# Altium PCB PCB.PcbDoc (continued)
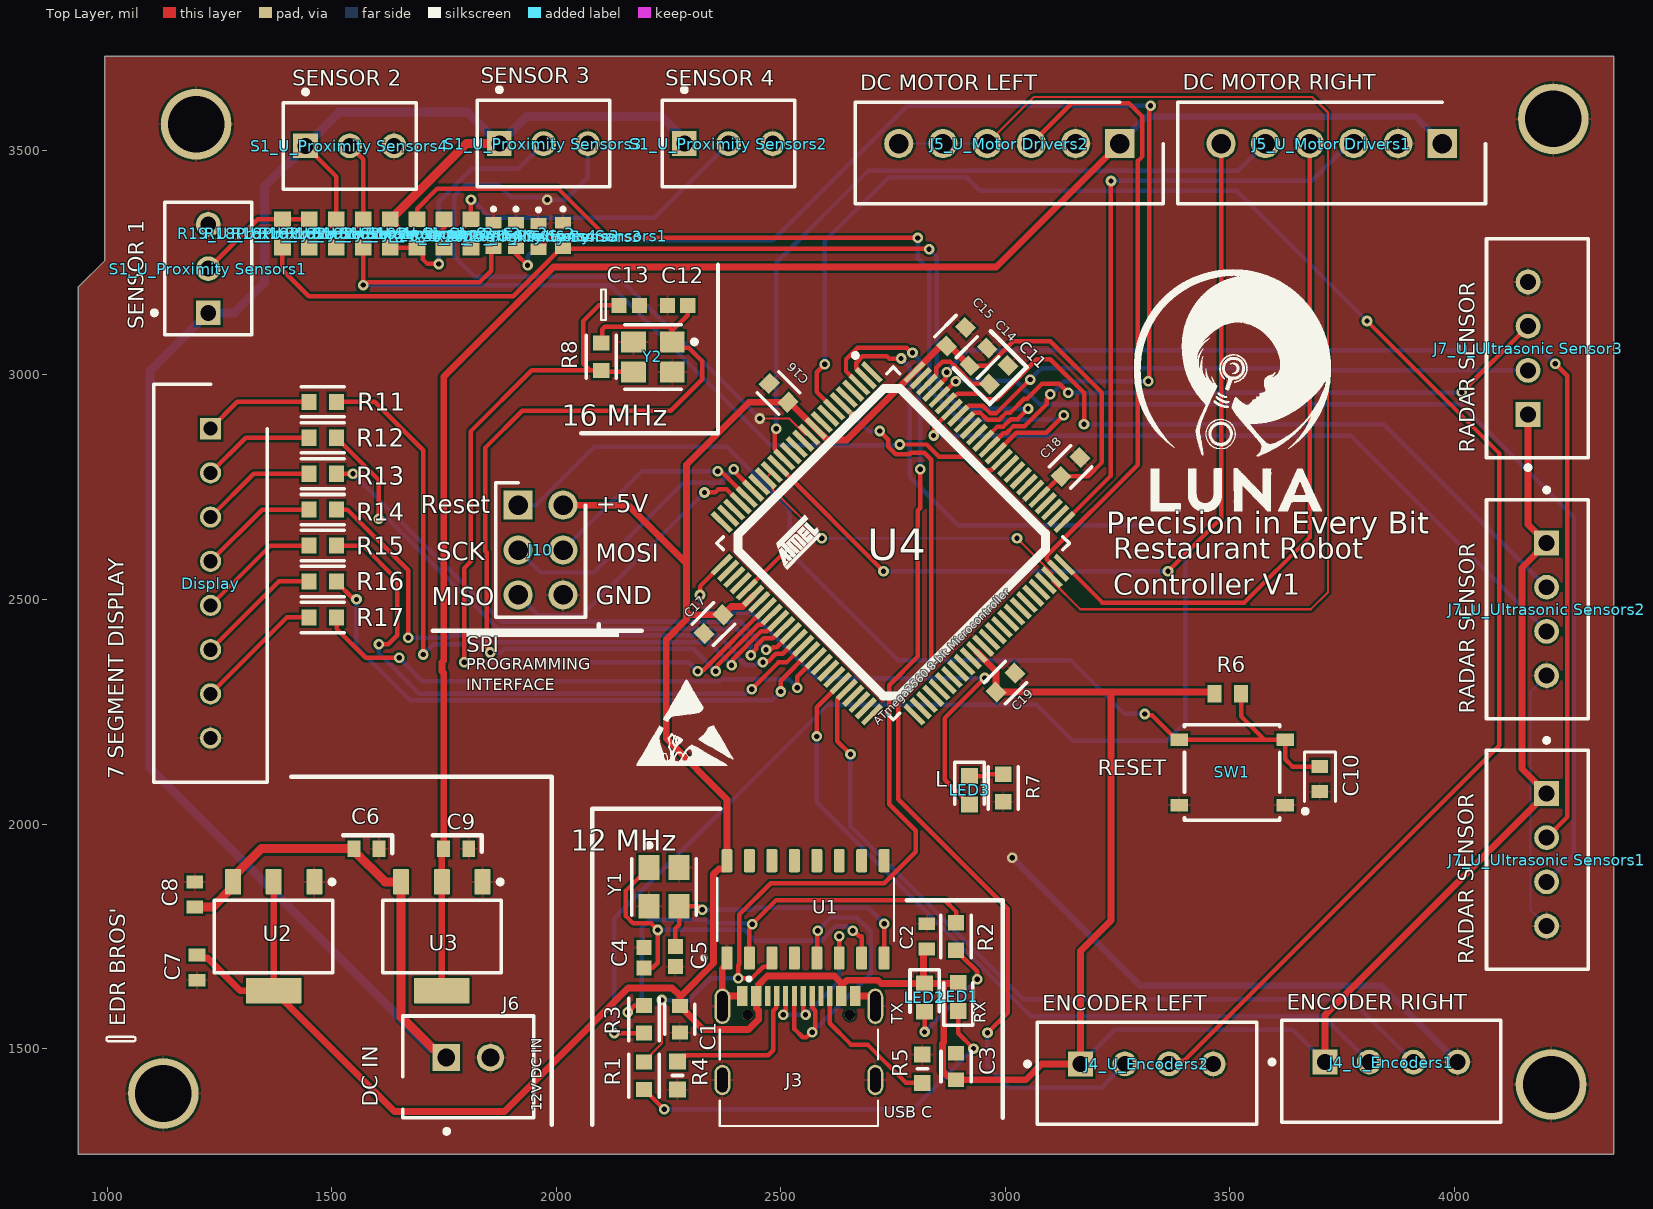
[diagram p0: Top Layer view]
## Part data
C1 C3 C11 C15 C16 C17 C18 C19: library part CMP-2100-03601-2, "CAP CER 0.1UF 50V X7R 0603", Capacitance="100 nF", Manufacturer=YAGEO, Package=CC0603-DA, Temperature="-55°C to +125°C", Temperature Characteristic=X7R, Temperature Coefficient=15%, Temperature Range High=+125°C, Temperature Range Low=-55°C, Tolerance=0.1, Voltage="50 V", Automotive=No, Category=Cap, ComponentLink2Description=Datasheet, ComponentLink2URL=http://www.yageo.com/documents/recent/UPY-GPHC_X7R_6.3V-to-50V_18.pdf, Device Class L1="Passive Components", Device Class L2=Capacitors, Device Class L3="Ceramic Capacitors", Digikey Description="CAP CER 0.1UF 50V X7R 0603", Footprint Url=http://www.yageo.com/exep/pages/download/literatures/UPY-C_GEN_24.pdf, Height=0.9mm, Lead Free=Yes, Manufacturer Part Number=CC0603KRX7R9BB104, Material=Ceramic, Mouser Description="Multilayer Ceramic Capacitor, CC Series, 0.1 - F, - 10%, X7R, 50 V, 0603 [1608 Metric]", Octopart=https://octopart.com/cc0603krx7r9bb104-yageo-42244635, RoHS=TRUE, Voltage Rating="50 V"
C2 C6 C7 C8 C9 C10 C14: "Capacitor", Manufacturer_Name=SAMSUNG, Mouser Part Number=187-CL10A106KP8NNNC, Arrow Part Number=CL10A106KP8NNNC, Arrow Price/Stock=https://www.arrow.com/en/products/cl10a106kp8nnnc/samsung-electro-mechanics?region=europe, Datasheet Link=https://datasheet.datasheetarchive.com/originals/distributors/Datasheets-DGA10/2415998.pdf, Height=0.9mm, Manufacturer_Part_Number=CL10A106KP8NNNC, Mouser Price/Stock=https://www.mouser.co.uk/ProductDetail/Samsung-Electro-Mechanics/CL10A106KP8NNNC?qs=X6jEic%2FHinAlyfRHj7fKwg%3D%3D
C4 C5 C12 C13: library part CMP-1659-00026-1, "Chip Capacitor, 22 pF, +/- 5%, 50 V, -55 to 125 degC, 0603 (1608 Metric), RoHS, Tape and Reel", ComponentLink1Description="Manufacturer URL", ComponentLink1URL=http://www.yageo.com/, ComponentLink2Description=Datasheet, ComponentLink2URL=http://www.yageo.com/documents/recent/UPY-GP_NP0_16V-to-50V_8.pdf, DatasheetVersion="Rev. 8, 08/2011", PackageDescription="2-Pin Surface Mount Device, Body 1.6 x 0.8 mm", PackageReference=0603
Display: library part B08B-XASK-1__LF__SN_, "Connector", Manufacturer_Name="JST (JAPAN SOLDERLESS TERMINALS)", Manufacturer_Part_Number="B08B-XASK-1 (LF)(SN)", Datasheet Link=http://uk.rs-online.com/web/p/products/1667521, Height=8.8mm
J3: "USB Connectors 24 Receptacle 1 8.94*7.3mm RoHS", Package=Package, Availability="Not in stock", Check_prices=https://www.snapeda.com/parts/TYPE-C-31-M-12/HRO+Electronics+Co.%252C+Ltd./view-part/?ref=eda, MF="HRO Electronics Co., Ltd.", MP=TYPE-C-31-M-12, Price=None, SnapEDA_Link=https://www.snapeda.com/parts/TYPE-C-31-M-12/HRO+Electronics+Co.%252C+Ltd./view-part/?ref=snap
J4_U_Encoders1 J4_U_Encoders2 "J7_U_Ultrasonic Sensor3" "J7_U_Ultrasonic Sensors1" "J7_U_Ultrasonic Sensors2": library part CMP-17439-000250-1, "CONN HEADER VERT 4POS 2.5MM", Color=Natural, Contact Resistance=20mR, Current Rating=3A, Flammability Rating="UL94 V-0", Housing Color=White, Insulation Resistance=1GR, Max Operating Temperature=85°C, Max Voltage Rating (AC)=250V, Min Operating Temperature=-25°C, Package Quantity=500, Connector Type=Header, Contact Finish - Mating=TIN, Contact Material=Brass, Contact Plating=Tin, Contact Shape=Square, Contact Type="Male Pin", Depth=5.75mm, Fastening Type=Detent, Gender=Male, Housing Material=Polyamide, Insulation Color=Natural, Insulation Material=Nylon, Lead Free="Lead Free", Lead Pitch=2.5mm, Length=12.4mm, Mated Stacking Heights=9.8mm, Material=Polyamide, Max Current Rating=3A, Max Voltage Rating (DC)=250V, Mount="Through Hole", Number of Contacts=4, Number of Positions=4, Number of Rows=1, Orientation=Straight, Packaging=Bulk, Pitch=2.5mm, REACH SVHC="No SVHC", Series=XH, Termination=Solder, Voltage Rating=250V, Voltage Rating (AC)=250V, Wire/Cable Gauge=22AWG
"J5_U_Motor Drivers1" "J5_U_Motor Drivers2": "Connector", Arrow Part Number=B6B-XH-A(LF)(SN), Manufacturer_Name="JST (JAPAN SOLDERLESS TERMINALS)", Arrow Price/Stock=https://www.arrow.com/en/products/b6b-xh-a-lf-sn/jst-manufacturing?region=europe, Datasheet Link=https://datasheet.lcsc.com/szlcsc/JST-Sales-America-B6B-XH-A-LF-SN_C144397.pdf, Height=7mm, Manufacturer_Part_Number=B6B-XH-A(LF)(SN)
J6: library part CMP-17439-000037-1, "CONN HEADER VERT 2POS 2.5MM", Color=Green, Contact Resistance=20mR, Housing Color=White, Max Current Rating=3A, Max Operating Temperature=85°C, Max Voltage Rating (AC)=250V, Min Operating Temperature=-25°C, Connector Type="Male Pin", Contact Material=Brass, Contact Plating=Tin, Contact Type="Male Pin", Depth=5.75mm, Fastening Type=Detent, Housing Material=Polyamide, Lead Free="Lead Free", Length=7.4mm, Mount="Through Hole", Number of Positions=2, Number of Rows=1, Orientation=Straight, Packaging=Bulk, Pitch=2.5mm, Series=XH, Termination=Solder
J10: library part M20-9980346, "Connector", Manufacturer_Name=Harwin, Mouser Part Number=855-M20-9980346, Datasheet Link=https://cdn.harwin.com/pdfs/M20-998.pdf, Height=8.68mm, Manufacturer_Part_Number=M20-9980346, Mouser Price/Stock=https://www.mouser.co.uk/ProductDetail/Harwin/M20-9980346?qs=%252Bk6%2F5FB6qrmHk2P20oz3FA%3D%3D
LED1 LED2 LED3: library part LTST-C191KRKT, "LED", Manufacturer_Name=Lite-On, Mouser Part Number=859-LTST-C191KRKT, Arrow Part Number=LTST-C191KRKT, Arrow Price/Stock=https://www.arrow.com/en/products/ltst-c191krkt/lite-on-technology?region=nac, Datasheet Link=http://www.mouser.com/ds/2/239/S_110_LTST-C191KRKT-539838.pdf, Height=0.55mm, Manufacturer_Part_Number=LTST-C191KRKT, Mouser Price/Stock=https://www.mouser.co.uk/ProductDetail/Lite-On/LTST-C191KRKT?qs=BAIUz4Y8PJBLfOhzue0q%252BA%3D%3D
R1 R2 R3 R7 R8 R11 R12 R13 R14 R15 R16 R17: library part CMP-03412-043191-1, "Anti-Sulfurated Chip Resistors Automotive Grade 1.5kΩ 1% 100ppm/°C 0603", Case/Package=0603, Max Operating Temperature=155°C, Max Power Dissipation=100mW, Min Operating Temperature=-55°C, Resistance=1.5kR, Resistor Type="Thick Film", Temperature Coefficient=100ppm/°C, Tolerance=1%, Features="Moisture Resistant", Height=0.022inch, Length=0.063inch, Number of Terminations=2, Packaging="Tape and Reel", RoHS Compliant=Yes, Series=AF, Width=0.031inch
R4 R5: "Resistor", Manufacturer_Name="UNI-ROYAL(Uniroyal Elec)", Datasheet Link=https://datasheet.lcsc.com/szlcsc/Uniroyal-Elec-0603WAF5101T5E_C23186.pdf, Height=0.55mm, Manufacturer_Part_Number=0603WAF5101T5E
R6: library part CMP-2000-05022-1, "Resistor, 10 KOhm, +/- 5%, 100 mW, -55 to 155 degC, 0603 (1608 Metric), RoHS, Tape and Reel", Case Code - in=0603, Case Code - mm=1608, Manufacturer=Yageo, Operating Temperature Range=-55Cto+155C, Package Description="2-Pin Surface Mount Device, Body 1.6 x 0.8 mm", Package Reference=603, Power Rating=100mW, Resistance=10kOhms, Temperature Coefficient=100PPM/C, Tolerance=5%, Voltage Rating=50V, Datasheet URL=http://www.farnell.com/datasheets/443971.pdf, Datasheet Version="Rev. 4, 04/2009", Manufacturer URL=http://www.yageo.com/, Packaging=Reel, Product=ThickFilmResistorsGeneralPurpose, Series=RC, Termination Style=SMD/SMT
"R18_U_Proximity Sensors1" "R18_U_Proximity Sensors2" "R18_U_Proximity Sensors3" "R18_U_Proximity Sensors4": library part RC0603FR-071KL, "Resistor", Manufacturer_Name=YAGEO, Mouser Part Number=603-RC0603FR-071KL, Arrow Part Number=RC0603FR-071KL, Arrow Price/Stock=https://www.arrow.com/en/products/rc0603fr-071kl/yageo?region=nac, Datasheet Link=https://www.yageo.com/upload/media/product/productsearch/datasheet/rchip/PYu-RC_Group_51_RoHS_L_12.pdf, Height=0.55mm, Manufacturer_Part_Number=RC0603FR-071KL, Mouser Price/Stock=https://www.mouser.co.uk/ProductDetail/YAGEO/RC0603FR-071KL?qs=VU8sRB4EgwApHsk4rF%2F3zg%3D%3D
"R19_U_Proximity Sensors1" "R19_U_Proximity Sensors2" "R19_U_Proximity Sensors3" "R19_U_Proximity Sensors4": library part RMCF0603JT3K30, "Resistor RMCF0603JT3K30", Manufacturer_Name="Stackpole Electronics", Datasheet Link=https://www.seielect.com/Catalog/SEI-RMCF_RMCP.pdf, Height=0.55mm, Manufacturer_Part_Number=RMCF0603JT3K30
"R20_U_Proximity Sensors1" "R20_U_Proximity Sensors2" "R20_U_Proximity Sensors3" "R20_U_Proximity Sensors4": library part ERJ3GEYJ222V, "Resistor", Manufacturer_Name=Panasonic, Arrow Part Number=ERJ3GEYJ222V, Arrow Price/Stock=https://www.arrow.com/en/products/erj-3geyj222v/panasonic?region=nac, Datasheet Link=http://docs-europe.electrocomponents.com/webdocs/13ba/0900766b813ba21b.pdf, Height=0.55mm, Manufacturer_Part_Number=ERJ3GEYJ222V
"S1_U_Proximity Sensors1" "S1_U_Proximity Sensors2" "S1_U_Proximity Sensors3" "S1_U_Proximity Sensors4": library part CMP-2000-07494-1, "Male Header, Pitch 2.5 mm, 1 x 3 Position, Height 10.4 mm, Tail Length 3.6 mm,  / -20 to 95 degC / , RoHS, Bulk", Colour=Natural, Contact Resistance=20mOhm, Flammability Rating=UL94V-0, Manufacturer="TE Connectivity", Max Current Rating=3.5A, Max Operating Temperature=95degC, Max Voltage Rating (AC)=250V, Max Voltage Rating (DC)=350.25kV, Min Operating Temperature=-20degC, Package Description="Male Header, Pitch 2.5 mm, 1 x 3 Position, Height 10.4 mm, Tail Length 3.6 mm", Package Quantity=1000, Package Reference=171825-3, Voltage Rating=350V, Approvals=UL, Backwall/Post Interruptions=No(Without), Connector Type=Header, Contact Gender=Male, Contact Material=Brass, Contact Mating Length=0.295inch, Contact Plating=Tin, Contact Retention=No(Without), Contact Shape=Square, Datasheet URL=http://www.te.com/commerce/DocumentDelivery/DDEController?Action=showdoc&DocId=Customer+Drawing%7F171825%7FY3%7Fpdf%7FEnglish%7FENG_CD_171825_Y3.pdf%7F171825-3, Datasheet Version="Rev. Y3, 12/2016", Depth=4.9mm, Height=0.409inch, Housing Colour=Natural, Housing Material=Nylon, Length=7.5mm, Manufacturer URL=http://www.te.com/, Mating Alignment=Yes(With), Mating Post Length=7.5mm, Mating Retention=Yes(With), Mount=ThroughHole, Mounting Technology=ThroughHole, Number of Contacts=3, Number of Positions=3, Number of Rows=1, Orientation=Straight, Packaging=Bag, Panel Mount Retention=No(Without), PCB Mount Alignment=No(Without), PCB Mount Retention=Without, PCB Mounting Orientation=Vertical, PCB Thickness=0.063inch, Pitch=2.5mm, Plating Thickness=0.8um, REACH SVHC=NoSVHC, RoHSCompliant=True, Strain Relief=No(Without), Tail Length=0.142inch, Termination=Solder
SW1: library part CMP-10040-000013-1, "TACT 5.2 X 5.2, 1.5 MM H, 260GF,", Contact Current Rating=50mA, Contact Resistance=100mΩ, Manufacturer=C&K, Operating Force=250gf, Temperature="-20°C to +70°C", Temperature Range High=+70°C, Temperature Range Low=-20°C, Voltage Rating Dc=12V, Automotive=No, Category=Switch, ComponentLink2Description=Datasheet, ComponentLink2URL=https://www.ckswitches.com/media/2780/pts526.pdf, Device Class L1=Electromechanical, Device Class L2=Switches, Device Class L3="Tactile Switches", Digikey Description="TACT 5.2 X 5.2, 1.5 MM H, 260GF,", Electromechanical Life=200000Cycles, Height=1.65mm, Lead Free=Yes, Manufacturer Part Number=PTS526SK15SMTR2LFS, Octopart=https://octopart.com/pts526+sk15+smtr2+lfs-c%26k+components-100617999, Package=PTS526SK15SMTR2LFS, RoHS=TRUE, Standoff Height=0mm, Throw Configuration=SPST-NO
U1: "USB Interface Integrated Circuit", Package=None, Availability="Not in stock", Check_prices=https://www.snapeda.com/parts/Ch340G/WCH/view-part/?ref=eda, MF=WCH, MP=Ch340G, Price=None, SnapEDA_Link=https://www.snapeda.com/parts/Ch340G/WCH/view-part/?ref=snap
U2 U3: library part CMP-0062-01637-4, "800mA Low-Dropout Linear Regulator, 4-pin SOT-223", Manufacturer="Texas Instruments", PackageTopMarking=XYTT*N06A, PowerWise=N, Code_IPC=SOT223-4, Code_JEDEC=TO-261-AA, ComponentLink1Description="Datasheet URL", ComponentLink1URL=http://www.ti.com/general/docs/lit/getliterature.tsp?genericPartNumber=LM1117-N&fileType=pdf, CompType="LDO IC", High-Reliability=Y, PackageDescription="Molded SOT-223, 6.50 x 3.56 x 1.6mm Body, 4 Lead, 2.3mm Pitch", PackageReference=DCY0004A, PartNumber=LM1117MPX-5.0, PinCount=4, RoHS=N
U4: library part CMP-06276-000073-1, "IC MCU 8BIT 256KB FLASH 100TQFP", Case/Package=DIP, Frequency=16MHz, Max Operating Temperature=70°C, Min Operating Temperature=0°C, Core Architecture=PIC, Interface=UART, Memory Size=8KB, Memory Type=OTP, Number of I/Os=33, Oscillator Type=External, Packaging=Rail/Tube, Peripherals=POR
Y1 Y2: library part CMP-2000-05039-3, "Crystal 12MHz ±20ppm (Tol) ±30ppm (Stability) 18pF FUND 120Ω 4-Pin SMD T/R", Case/Package=CSMD, ESR (Equivalent Series Resistance)=120R, Frequency=12MHz, Frequency Stability=30ppm, Frequency Tolerance=20ppm, Load Capacitance=18pF, Max Operating Temperature=85°C, Min Operating Temperature=-40°C, Operating Frequency="12 MHz", Package Quantity=1000, Depth=2.5mm, Height=1mm, Lead Free="Lead Free", Length=3.2mm, Mount="Surface Mount", Number of Pins=4, Packaging="Tape and Reel", Radiation Hardening=No, Series=ABM8G, Series Resistance=120R, Termination=SMD/SMT, Tolerance=20ppm, Width=2.5mm

## Free pads (board coordinates)
  round 157.48 hole 125.98: 2(1197.95,3558.08) 3(1125,1400) 4(4215,1420) 5(4220,3570)

## Via types
v1: diameter 23.62, hole 11.81, Top Layer to Bottom Layer, tented both sides, 82 vias

## Nets (pads, with @x,y where several pads share a name; then routed paths per layer and width w, separated by ;. In a path a pad name is that pad's centre, name@x,y a point inside that pad or via, vN(x,y) a via of type N, cw(c..) or ccw(c..) an arc to the next point about the centre after c; other vN are vias at no path point)
+5V: "J7_U_Ultrasonic Sensor3.1" "J7_U_Ultrasonic Sensors1.1" "J7_U_Ultrasonic Sensors2.1" C1.1 C2.2 C3.1 C7.2 C14.2 C15.1 C16.1 C17.1 C18.1 C19.1 J3.A4_B9 J3.B4_A9 J4_U_Encoders1.1 J4_U_Encoders2.1 J10.2 LED1.2 LED2.2 R6.2 U1.16 U2.2 U2.4 U4.10 U4.31 U4.61 U4.80 U4.100 | length 10082.6
  Top Layer w10: C1.1 2275,1615 2275,1618 ; C14.2 2923.16,3017.31 2936.41,3017.31 2939.33,3020.23 2962.66,3020.23 3017.43,3075 3100,3075 3215,2960 3215,2805 3184.12,2774.12 3121.83,2774.12 U4.80
  Top Layer w15: C7.2 1206.09,1701.86 1223.08,1701.86 1296,1628.94 U2.4 ; U2.2 1370.55,1860 1371,1860 1371,1628.94 U2.4 ; J10.2 2160,2710 2290,2580 ; C1.1 2276.97,1594.53 2285.22,1586.28 2285.22,1584.31 2327.22,1542.3 2428.02,1542.3 2450.53,1564.81 2450.53,1584.95 2445.51,1589.97 J3.A4_B9 ; 2275,1615 2350,1690 2350,1888.27 2361.71,1899.98 2375.3,1899.98 2380,1904.69 2380,2055 2245,2190 2245,2410.88 2290,2455.88 2290,2465.88 ; 2275,1618 2258,1635 2160,1635 1885,1360 1639.49,1360 U2.4 ; U4.31 2414.57,2484.44 2389.44,2484.44 C17.1 2369.49,2467.27 2357.82,2467.27 2356.43,2465.88 2290,2465.88 ; J3.A4_B9@2445.51,1620.69 2449.82,1625 2449.82,1641.75 2469.63,1661.56 2619.15,1661.56 2634.49,1646.21 2634.49,1640 ; J3.B4_A9 2634.49,1640 ; LED2.2@2817.5,1645 C2.2@2817.5,1717.5 ; LED1.2 2893.5,1645 2862.53,1645 ; C14.2 2876.35,3064.12 C15.1 2867.92,3065.32 2856.25,3065.32 U4.100 2645.93,2855 2603.52,2855 U4.10 2519.4,2939.12 C16.1 2514.49,2937.73 2502.82,2937.73 2501.43,2939.12 2429.12,2939.12 2290,2800 2290,2580 ; U4.61 2979.12,2340.2 C19.1 3235,2294.12 ; R6.2 3461.35,2294.12 3235,2294.12 ; J4_U_Encoders1.1 3711.57,1574.68 4205,2068.11 4150,2123.11 4150,2570.67 4205,2625.67 4163.66,2667.01 4163.66,2911.57 ; 2290,2465.88 2290,2580 ; 2634.49,1640 2646.44,1651.95 2716.89,1651.95 2723.84,1645 LED2.2 2862.53,1645 ; 2862.53,1645 2862.53,1513.2 2859.78,1510.45 2859.78,1450.25 2871.31,1438.72 2881.75,1438.72 C3.1 3045.47,1430.47 3080.67,1465.67 J4_U_Encoders2.1 3167.36,1717.36 3235,1785 3235,2294.12
  Bottom Layer w10: J4_U_Encoders2.1 3243.69,1542 3639.57,1542 J4_U_Encoders1.1
+5V_M: "J5_U_Motor Drivers1.1" "J5_U_Motor Drivers2.1" C9.2 U3.2 U3.4 | length 3859.2
  Top Layer w15: U3.4 U3.2 1745,1936.91 1749.09,1941 C9.2 1749.09,2336.53 1745.69,2339.93 1745.69,2360.07 1749.09,2363.47 1749.09,2995.35 1993.75,3240 2979.53,3240 3254.53,3515
  Bottom Layer w15: 3254.53,3515 3314.53,3575 3912.44,3575 3972.44,3515
+12V: "R18_U_Proximity Sensors1.2" "R18_U_Proximity Sensors2.2" "R18_U_Proximity Sensors3.2" "R18_U_Proximity Sensors4.2" "S1_U_Proximity Sensors1.1" "S1_U_Proximity Sensors2.1" "S1_U_Proximity Sensors3.1" "S1_U_Proximity Sensors4.1" C6.2 C8.2 J6.1 U2.3 U3.3 | length 5199.9
  Top Layer w10: 1441.57,3510 1510,3441.57 1510,3346.5 1510,3345 1450,3285 1450,3283.5 ; 1630,3346.5 1642.72,3333.78 1644.22,3333.78 1663,3315 1737,3315 1750,3328 1750,3346.5
  Top Layer w20: C8.2 1234.76,1815 1280,1860.24 U2.3 1280,1881.89 1343.11,1945 C6.2 1549.09,1940.87 1618.9,1871.06 U3.3 1654.45,1570.55 1724.49,1500.51 1734.49,1500.51 J6.1 ; 1630,3346.5 1630.98,3346.5 1799.49,3515 1873.15,3515
  Bottom Layer w20: J6.1 1734.49,1500.51 1719.49,1500.51 1095,2125 1095,3008.15 1225,3138.15 1283.15,3138.15 1350,3205 1350,3418.43 1441.57,3510 1441.57,3516.57 1445,3520 1451.57,3520 1516.57,3585 1803.15,3585 1873.15,3515 1933.15,3575 2235,3575 2267.44,3542.56 2267.44,3532.56 2285,3515
D+: J3.A6 J3.B6 U1.5 | length 695.5
  Top Layer w10: J3.A6 2530.16,1543.37 2548.57,1524.95 2556.86,1524.95 2567.91,1536 v1(2569.53,1536) 2569.53,1539.69 2576.81,1546.97 2576.81,1584.03 2569.53,1591.32 J3.B6 ; U1.5 2581,1702.73 2581,1760 2582,1761 v1(2582,1762.07)
  Bottom Layer w10: v1(2569.53,1536) 2700,1666.47 2700,1760.85 2669.03,1791.81 2611.75,1791.81 v1(2582,1762.07)
D-: J3.A7 J3.B7 U1.6 | length 392.8
  Top Layer w10: v1(2505,1575) 2505,1578.69 2510.47,1584.16 J3.B7 ; J3.A7 2549.84,1583.84 2555,1578.69 v1(2555,1575) ; U1.6 v1(2630,1750)
  Bottom Layer w10: v1(2505,1575) v1(2555,1575) 2630,1650 v1(2630,1750)
"ECHO_U_Ultrasonic Sensor3": "J7_U_Ultrasonic Sensor3.2" U4.93 | length 1328.8
  Top Layer w10: U4.93 2896.04,2908.96 2918.26,2931.17 2949.66,2931.17 2965.83,2915 2980,2915 3054.58,2989.58 v1(3055.42,2989.58)
  Bottom Layer w10: v1(3055.42,2989.58) 3055.42,2990.42 3080,3015 3608.91,3015 3613.91,3010 4163.66,3010
"ECHO_U_Ultrasonic Sensors1": "J7_U_Ultrasonic Sensors1.2" U4.97 | length 2528.2
  Top Layer w10: U4.97 2866.77,2992.32 2866.77,3003.54 v1(2869.38,3006.15) ; 4205,1969.69 4251,2015.69 4251,2998 v1(4224,3025)
  Bottom Layer w10: v1(2869.38,3006.15) 2869.38,3008.31 2916.07,3055 4194,3055 v1(4224,3025)
"ECHO_U_Ultrasonic Sensors2": "J7_U_Ultrasonic Sensors2.2" U4.95 | length 1640.4
  Top Layer w10: U4.95 2883.63,2953.5 2888.97,2953.5 2893.4,2957.93 2943.9,2957.93 2956.37,2945.46 2980.46,2945.46 3070,3035 3100,3035 3175,2960 v1(3175,2890)
  Bottom Layer w10: v1(3175,2890) 3842.24,2890 4205,2527.24
EN1A_U_Encoders1: J4_U_Encoders1.2 U4.45 | length 1756.1
  Top Layer w10: v1(2580,2195) 2580,2260.13 U4.45
  Bottom Layer w10: v1(2580,2195) 2580,2048.79 3056.79,1572 3708,1572 J4_U_Encoders1.2
EN1A_U_Encoders2: J4_U_Encoders2.2 U4.6 | length 2114.1
  Top Layer w10: U4.6 U4.6 2663.21,2906.72 v1(2663.28,2906.72) ; v1(2720,2875) 2739.29,2855.71 2739.29,2839.87 2755.97,2823.19 2785.69,2823.19 2789.31,2826.81 2819.03,2826.81 2835,2810.85 2835,2358 2761,2284 2761,2055 3005,1811 3005,1580 v1(2960,1535)
  Bottom Layer w10: v1(2663.28,2906.72) 2695,2875 v1(2720,2875) ; v1(2960,1535) 2960,1461 3008,1413 3213.12,1413 J4_U_Encoders2.2
EN1B_U_Encoders1: J4_U_Encoders1.3 U4.46 | length 1796
  Top Layer w10: U4.46 2647,2298.01 2625.86,2276.87 2625.86,2184.14 v1(2655,2155)
  Bottom Layer w10: v1(2655,2155) 2655,1995 3040,1610 3768.43,1610 J4_U_Encoders1.3
EN1B_U_Encoders2: J4_U_Encoders2.3 U4.7 | length 3894
  Top Layer w10: v1(2598,3024) 2580,3006 2580,2962.03 U4.7 ; J4_U_Encoders2.3 3371.08,1472.53 3397.53,1472.53 4100,2175 4100,2825 v1(3805,3120)
  Bottom Layer w10: v1(2598,3024) 2598,3298 2740,3440 2913,3440 2943,3410 3515,3410 v1(3805,3120)
"ENL_U_Motor Drivers1": "J5_U_Motor Drivers1.6" U4.16 | length 1972.8
  Top Layer w10: U4.16 v1(2728.48,2563) ; v1(3362,2563) 3480.32,2681.32 3480.32,3515
  Bottom Layer w10: v1@2722,2563 v1(2728.48,2563) v1(3362,2563)
"ENL_U_Motor Drivers2": "J5_U_Motor Drivers2.4" "J5_U_Motor Drivers2.5" "J5_U_Motor Drivers2.6" U4.17 U4.18 U4.73 | length 3485
  Top Layer w5: U4.18 U4.17 ; U4.18@2479.96,2755.84 2479.96,2747.04 v1(2591,2636) ; 2959.25,3515 3063.25,3619 3683,3619 3718,3584 3718,2516 3680,2478 3166.51,2478 3103.55,2540.96 U4.73 3103.55,2558.27 v1(3025.82,2636)
  Bottom Layer w5: v1(2591,2636) v1(3025.82,2636) ; 2762.4,3515 2860.83,3515 2959.25,3515
"ENR_U_Motor Drivers1": "J5_U_Motor Drivers1.5" U4.15 | length 1647.1
  Top Layer w10: v1(2490,2880) 2490,2876.31 2486.67,2872.98 2486.67,2833.94 2507.8,2812.8 U4.15
  Bottom Layer w10: v1(2490,2880) 2490,3250 2695,3455 3518.74,3455 3578.74,3515
GND: "J5_U_Motor Drivers1.2" "J5_U_Motor Drivers2.2" "J7_U_Ultrasonic Sensor3.4" "J7_U_Ultrasonic Sensors1.4" "J7_U_Ultrasonic Sensors2.4" "R20_U_Proximity Sensors1.1" "R20_U_Proximity Sensors2.1" "R20_U_Proximity Sensors3.1" "R20_U_Proximity Sensors4.1" "S1_U_Proximity Sensors1.3" "S1_U_Proximity Sensors2.3" "S1_U_Proximity Sensors3.3" "S1_U_Proximity Sensors4.3" C1.2 C2.1 C3.2 C4.1 C5.1 C6.1 C7.1 C8.1 C9.1 C10.1 C11.2 C12.1 C13.1 C14.1 C15.2 C16.2 C17.2 C18.2 C19.2 Display.8 J3.A1_B12 J3.B1_A12 J3.S1 J3.S2 J3.S3 J3.S4 J4_U_Encoders1.4 J4_U_Encoders2.4 J6.2 J10.6 pad.2 pad.3 pad.4 pad.5 R4.1 R5.2 R7.1 SW1.1 SW1.2 U1.1 U2.1 U3.1 U4.11 U4.32 U4.62 U4.81 U4.99 Y1.2 Y1.4 Y2.2 Y2.4 | length 3495.9
  Top Layer w5: v1(2453,2903) 2518.8,2903 2554.6,2867.2 U4.11
  Top Layer w15: J3.S1 J3.S1@2369.72,1607.57 ; U1.1 2380,1688.15 2369.72,1677.87 J3.S1@2369.72,1607.57 ; J3.A1_B12 2379.16,1617.01 J3.S1@2369.72,1607.57 ; J3.B1_A12 2700.84,1617.01 2710.28,1607.57 J3.S2
  Bottom Layer w5: 4205,1772.83 4169,1808.83 4169,2294.39 4205,2330.39
  Bottom Layer w10: 2070,3515 2070,3440 2020,3390 v1(1980,3390) 1975,3395 1899.84,3395 1871.84,3423 1796.68,3423 1772.85,3399.18 1772.85,3264 1817.85,3219 2137,3219 v1(2453,2903)
  Bottom Layer w15: v1(3015,1925) 3300,1640 3836.85,1640 J4_U_Encoders1.4
LED: LED3.2 U4.26 | length 1150.1
  Top Layer w10: v1(2320,2510) 2320,2529.07 U4.26 ; LED3.2 2865,2098.5 2865,2236 v1(2954,2325)
  Bottom Layer w10: v1(2320,2510) 2320,2492 2341.31,2470.69 2434.31,2470.69 2580,2325 v1(2954,2325)
"LPWM_U_Motor Drivers1": "J5_U_Motor Drivers1.4" U4.75 | length 2395
  Top Layer w10: U4.75 3216.07,2493 3532,2493 3678,2639 ; 3677.17,3515 3678,3515 ; 3678,2639 3678,3515 ; 3678,2639 3678,3515
NetC4_2: C4.2 U1.7 Y1.1 | length 857.3
  Top Layer w10: C4.2 2214.72,1679.72 2226,1691 2226,1695.12 v1(2226,1764) 2210.87,1779.13 2170.87,1779.13 2155,1795 2155,1851.77 Y1.1 ; v1(2660,1762.07) 2662.47,1762.07 2674.54,1750 2680,1750 U1.7
  Bottom Layer w10: v1(2226,1764) 2418.47,1764 2442.22,1740.25 2591.03,1740.25 2606,1755.22 2606,1756.85 2620.97,1771.81 2646.57,1771.81 2656.31,1762.07 v1(2660,1762.07)
NetC5_2: C5.2 U1.8 Y1.3 | length 645.2
  Top Layer w10: C5.2 2265,1767 2273.46,1775.46 Y1.3 2317.31,1816.69 v1(2325,1809) ; U1.8 v1(2730,1778)
  Bottom Layer w10: v1(2325,1809) 2437.34,1809 2441.97,1813.62 2694.38,1813.62 v1(2730,1778)
NetC11_1: C11.1 U4.98 | length 185.2
  Top Layer w10: U4.98 2825.16,2979.83 2846.3,3000.97 2846.3,3016.08 2859.08,3028.86 2877.51,3028.86 2886.99,3019.38 2886.99,3019.02 2925.49,2980.51 2957.73,2980.51 C11.1@2959.12,2979.12
NetC12_2: C12.2 R8.2 U4.34 Y2.1 | length 2129.2
  Top Layer w10: v1(1852.81,2381.81) 1852.81,2385.5 1845,2393.31 1845,2605 1842.19,2607.81 1842.19,2838.19 1924,2920 2255,2920 2325,2990 2325,3030 2295.01,3059.99 2271.78,3059.99 Y2.1 2258.31,3098.74 ; R8.2 2102.31,3073.46 2102.31,3101.23 2108.16,3107.09 2203.39,3107.09 2249.96,3107.09 2258.31,3098.74 ; C12.2 2292.64,3133.07 2258.31,3098.74 ; v1(2355.19,2339.81) 2357.79,2342.42 2357.79,2352.05 2449.63,2443.89 2456.25,2443.89 2478.68,2466.32 U4.34
  Bottom Layer w10: v1(1852.81,2381.81) 1876.43,2381.81 1884.62,2390 2305,2390 v1(2355.19,2339.81)
NetC13_2: C13.2 R8.1 U4.33 Y2.3 | length 1888.1
  Top Layer w10: v1(1795,2360) 1795,2570 1810,2585 1810,2875 1945,3010 2075,3010 ; C13.2 2095,3155 2060,3120 2060,3025 2075,3010 ; Y2.3 2103.46,3006.54 R8.1 2075,3010 ; v1(2315,2340) 2317.61,2342.61 2327.13,2342.61 2464.76,2480.24 U4.33
  Bottom Layer w10: v1(1795,2360) 2295,2360 v1(2315,2340)
NetDisplay_1: Display.1 R11.2 | length 244.2
  Top Layer w10: Display.1 1289.72,2940 R11.2
NetDisplay_2: Display.2 R12.2 | length 251.8
  Top Layer w10: Display.2 1308.15,2860 R12.2
NetDisplay_3: Display.3 R13.2 | length 259.4
  Top Layer w10: Display.3 1326.57,2780 R13.2
NetDisplay_4: Display.4 R14.2 | length 267.1
  Top Layer w10: Display.4 1345,2700 R14.2
NetDisplay_5: Display.5 R15.2 | length 274.7
  Top Layer w10: Display.5 1363.43,2620 R15.2
NetDisplay_6: Display.6 R16.2 | length 282.3
  Top Layer w10: Display.6 1381.85,2540 R16.2
NetDisplay_7: Display.7 R17.2 | length 290
  Top Layer w10: Display.7 1400.28,2460 R17.2
NetJ3_A5: J3.A5 R4.2 | length 347.3
  Top Layer w10: R4.2 2282.72,1484.21 2288.77,1484.21 2289.56,1485 2471.79,1485 2483.19,1496.4 2483.19,1584.03 2489.88,1590.73 2489.88,1599.57 2490.79,1600.47 J3.A5
NetJ3_B5: J3.B5 R5.1 | length 321.9
  Top Layer w10: J3.B5 2608.9,1556.1 2656,1509 2693,1509 2778.5,1423.5 R5.1
NetJ10_3: J10.3 U4.20 | length 662
  Top Layer w10: v1(2395,2790) 2395,2786.41 2438.2,2743.2 U4.20
  Bottom Layer w10: J10.3 1965,2560 2083,2560 2283,2760 2365,2760 v1(2395,2790)
NetJ10_4: J10.4 U4.21 | length 505.7
  Top Layer w10: v1(2359.58,2785.42) 2362.18,2782.82 2369.47,2782.82 U4.21
  Bottom Layer w10: J10.4 2190,2785 2359.15,2785 v1(2359.58,2785.42)
NetJ10_5: J10.5 U4.22 | length 642.8
  Top Layer w10: v1(2330,2738.19) 2353.69,2738.19 2360.5,2745 2379.45,2745 U4.22
  Bottom Layer w10: J10.5 1960,2465 2056.81,2465 v1(2330,2738.19)
NetLED1_1: LED1.1 R1.2 | length 905.7
  Top Layer w10: R1.2 2196.05,1408.84 2239.89,1365 v1(2240,1365) ; LED1.1 2895,1534 v1(2929,1500)
  Bottom Layer w10: v1(2240,1365) 2794,1365 v1(2929,1500)
NetLED2_1: LED2.1 R2.2 | length 295.4
  Top Layer w10: v1(2820,1537) LED2.1 ; R2.2 2891.05,1718.84 2902.96,1706.94 2902.96,1705.89 2936.96,1671.88 v1(2937,1654) v1(2937,1654)
  Bottom Layer w10: v1(2820,1537) v1(2937,1654)
NetLED3_1: LED3.1 R7.2 | length 76.7
  Top Layer w10: LED3.1 2955,2106.5 2959.08,2110.58 R7.2
NetR1_1: R1.1 U1.3 U4.3 | length 2470
  Top Layer w5: R1.1 2195,1471 2235,1511 v1(2235,1608) ; 2462.49,1680.49 2480,1698 U1.3
  Top Layer w10: v1(2405,1656.26) 2405,1685.28 2407.8,1688.07 2407.8,1729.87 ; v1@2406,1656 2434.62,1656 2460.8,1682.18 2472.8,1682.18 2480,1689.39 U1.3 ; 2407.8,1729.88 2407.8,1798.88 2477.32,1868.4 2730.48,1868.4 2800,1937.92 2800,1985 2741,2044 2741,2132.08 2741,2309 2805,2373 2805,2698.19 2810,2703.19 v1(2810,2790) ; U4.3 2645,3008.39 2645,3035 2670,3060 2779.83,3060 2790.5,3049.33 v1(2793.19,3049.33)
  Bottom Layer w10: v1(2235,1608) 2295.87,1608 2344.13,1656.26 v1(2405,1656.26) ; v1(2793.19,3049.33) 2793.19,3049.2 2806.81,3035.58 2806.81,2940.98 2810,2937.79 v1(2810,2790)
NetR2_1: R2.1 R3.2 U1.2 | length 1089.7
  Top Layer w10: v1(2159,1581) 2173.58,1595.58 R3.2 ; U1.2 2430,1766 2430.91,1766.91 2430.91,1771.72 2489.19,1830 2865,1830 2890,1805 R2.1
  Bottom Layer w10: v1(2159,1581) 2190,1612 2190,1769 2208,1787 2333.85,1787 2341.85,1779 2434.32,1779 v1(2436.25,1777.07)
NetR3_1: R3.1 U4.2 | length 3322.8
  Top Layer w10: v1(2129,1534.42) R3.1 ; U4.2 2688.75,2993.75 2667.62,3014.89 2667.62,3027.24 2681.83,3041.45 2735.83,3041.45 2740.86,3036.42 v1(2767.64,3036.42)
  Bottom Layer w10: v1(2129,1534.42) 2129,1790 2604,2265 3070,2265 3150,2185 3359,2185 3400,2226 3400,2603 3338,2665 2895,2665 2786.81,2773.19 2786.81,3017.25 v1(2767.64,3036.42)
NetR11_1: R11.1 U4.35 | length 1562.6
  Top Layer w10: R11.1 1596,2940 1704,2832 v1(1704,2377.31) ; v1(2390.25,2353.66) 2392.85,2356.27 2392.85,2365.9 2455.84,2428.89 2469.09,2428.89 2492.6,2452.4 U4.35
  Bottom Layer w10: v1(1704,2377.31) 1726.69,2400 1788.24,2400 1793.24,2405 2340,2405 2390.25,2354.75 v1(2390.25,2353.66)
NetR12_1: R12.1 U4.36 | length 1296.3
  Top Layer w10: R12.1 1605,2765.58 v1(1605,2680) ; v1(2433.3,2375.5) 2433.3,2378.31 2445.19,2390.21 2445.19,2397.03 2462.05,2413.89 2481.93,2413.89 2506.52,2438.48 U4.36
  Bottom Layer w10: v1(1605,2680) 1625,2680 1870,2435 2402.06,2435 2423.03,2414.04 2423.03,2409.46 2433.3,2399.19 v1(2433.3,2375.5)
NetR13_1: R13.1 U4.37 | length 1191.7
  Top Layer w10: R13.1 v1(1547.37,2780) ; v1(2467.01,2387.99) 2469.61,2390.6 2479.24,2390.6 2482.53,2393.89 2491.05,2393.89 U4.37
  Bottom Layer w10: v1(1547.37,2780) 1877.37,2450 2410.14,2450 2437.92,2422.21 2437.92,2417.08 v1(2467.01,2387.99)
NetR14_1: R14.1 U4.38 | length 1286.7
  Top Layer w10: R14.1 1535,2700 1670,2565 v1(1670,2415) ; v1(2460,2360) 2462.61,2362.61 2472.46,2362.61 2488.74,2378.89 2503.89,2378.89 U4.38
  Bottom Layer w10: v1(1670,2415) 1758.63,2415 1763.63,2420 2360,2420 2403.82,2376.18 2403.82,2371.68 2421.81,2353.69 2442.33,2353.69 2446.04,2357.39 2457.39,2357.39 v1(2460,2360)
NetR15_1: R15.1 U4.39 | length 1385.9
  Top Layer w10: R15.1 1569.37,2620 1646,2543.37 1646,2420 1626,2400 v1(1605,2400) ; v1(2435,2300) 2494.68,2359.68 2512.52,2359.68 U4.39
  Bottom Layer w10: v1(1605,2400) 1605,2380 1695,2290 2422.33,2290 2432.33,2300 v1(2435,2300)
NetR16_1: R16.1 U4.40 | length 1283.7
  Top Layer w10: R16.1 1510.58,2538.95 1546.92,2502.61 1552.39,2502.61 v1(1555,2500) ; v1(2500,2295) 2500,2319.32 U4.40
  Bottom Layer w10: v1(1555,2500) 1555,2395 1675,2275 2480,2275 v1(2500,2295)
NetR17_1: R17.1 U4.41 | length 1191.2
  Top Layer w10: R17.1 1510.58,2435.04 1575.62,2370 v1(1650,2370) ; v1(2536.67,2303.33) 2536.67,2328.16 U4.41
  Bottom Layer w10: v1(1650,2370) 1701.81,2318.19 1702,2318 2364.22,2318 2368.03,2321.81 2518.19,2321.81 v1(2536.67,2303.33)
"NetR18_U_Proximity Sensors1_1": "R18_U_Proximity Sensors1.1" "R19_U_Proximity Sensors1.2" "S1_U_Proximity Sensors1.2" | length 270.5
  Top Layer w10: 1225,3236.57 1334.92,3346.5 1390,3346.5 1450,3346.5
"NetR18_U_Proximity Sensors2_1": "R18_U_Proximity Sensors2.1" "R19_U_Proximity Sensors2.2" "S1_U_Proximity Sensors2.2" | length 789.7
  Top Layer w10: 1750,3283.5 1750,3285 1810,3345 1810,3346.5 v1(1810,3390)
  Bottom Layer w10: v1(1810,3390) 1812.67,3390 1852.67,3350 2218.43,3350 2383.43,3515
"NetR18_U_Proximity Sensors3_1": "R18_U_Proximity Sensors3.1" "R19_U_Proximity Sensors3.2" "S1_U_Proximity Sensors3.2" | length 556.8
  Top Layer w10: 1630,3283.5 1690,3283.5 1702.06,3271.44 1702.06,3257.94 1713,3247 v1(1738,3247)
  Bottom Layer w10: v1(1738,3247) 1738,3385.54 1811.46,3459 1915.57,3459 1971.57,3515
"NetR18_U_Proximity Sensors4_1": "R18_U_Proximity Sensors4.1" "R19_U_Proximity Sensors4.2" "S1_U_Proximity Sensors4.2" | length 263.8
  Top Layer w10: 1510,3283.5 1510,3285 1570,3345 1570,3346.5 1570,3480 1540,3510
"NetR19_U_Proximity Sensors1_1": "R19_U_Proximity Sensors1.1" "R20_U_Proximity Sensors1.2" U4.89 | length 2223
  Top Layer w10: 1390,3283.5 1390,3234 1449,3175 1904,3175 1983.33,3254.33 1983.33,3254.71 2010.08,3281.46 2015,3281.46 2015.73,3280.73 2829.27,3280.73 v1(2830,3280) ; U4.89 2982.16,2885 2995.41,2885 3011.58,2901.17 3027.02,2901.17 v1(3050.42,2924.58)
  Bottom Layer w10: v1(2830,3280) 2847.57,3262.43 2847.57,2997.11 2848.8,2995.88 2848.8,2976.2 2900.42,2924.58 v1(3050.42,2924.58)
"NetR19_U_Proximity Sensors2_1": "R19_U_Proximity Sensors2.1" "R20_U_Proximity Sensors2.2" U4.88 | length 2775.5
  Top Layer w10: 1810,3283.5 1810,3304.14 1815.86,3310 1896.14,3310 1910,3296.14 1910,3281.46 1910,3270 v1(1936,3244) ; U4.88 2995,2870 3001.62,2870 3017.8,2886.17 3042.86,2886.17 3092.39,2935.7 3092.39,2945.52 3100,2953.12 v1(3100,2956.81) ; v1(3318,2986) 3320.57,2988.57 3320.57,3596.74 v1(3323.15,3599.31)
  Bottom Layer w10: v1(1936,3244) 1936,3264 1972,3300 2482,3300 2781.31,3599.31 v1(3323.15,3599.31) ; v1(3100,2956.81) 3101.81,2956.81 3131,2986 v1(3318,2986)
"NetR19_U_Proximity Sensors3_1": "R19_U_Proximity Sensors3.1" "R20_U_Proximity Sensors3.2" U4.87 | length 2236.3
  Top Layer w10: 1690,3346.5 1690,3370 1735,3415 2003.92,3415 2113.92,3305 ; 1960,3280 1964.92,3280 1972.72,3287.8 1972.72,3292.72 1985,3305 2113.92,3305 ; v1(2805,3305) 2113.92,3305 ; U4.87 3024.01,2871.17 3091.17,2871.17 v1(3130,2910)
  Bottom Layer w10: v1(2805,3305) 2805,3260 2830,3235 2830,2968 2898,2900 3117.33,2900 3127.33,2910 v1(3130,2910)
"NetR19_U_Proximity Sensors4_1": "R19_U_Proximity Sensors4.1" "R20_U_Proximity Sensors4.2" U4.86 | length 2382.9
  Top Layer w10: v1(1570,3200) v1@1570,3206 ; 1570,3283.5 v1@1570,3206 ; 1860,3281.46 1855,3281.46 ; v1(2765,2845) 2825,2845 2851.78,2818.22 2911.78,2818.22 2942.29,2787.71 2968.39,2787.71 U4.86 ; v1@1570,3206 v1@1573.39,3202.61 ; v1@1570,3206 v1@1573.39,3202.61 ; v1@1573.39,3202.61 1576.29,3202.61 1579.68,3206 1829,3206 1855,3232 ; 1855,3232 1855,3281.46 ; 1855,3232 1855,3281.46
  Bottom Layer w10: v1(1570,3200) 2120,3200 2476.27,2843.73 ; 2476.27,2843.73 2765,2843.73 2476.27,2843.73
Reset: C10.2 J10.1 R6.1 SW1.3 SW1.4 U4.30 | length 2512.9
  Top Layer w10: U4.30 2504.68,2602.39 2517.39,2602.39 v1(2520,2605) ; v1(3310,2245) 3312.61,2242.39 3326.42,2242.39 3380.98,2187.83 SW1.4 3576.69,2187.83 ; R6.1 3524.53,2240 3576.69,2187.83 ; SW1.3 SW1.3@3623,2187.83 ; C10.2 3639.05,2127.95 3623,2144 ; 3576.69,2187.83 SW1.3@3623,2187.83 ; 3623,2144 SW1.3@3623,2187.83 ; 3623,2144 SW1.3@3623,2187.83
  Bottom Layer w10: J10.1 1954.92,2710 2084.92,2840 2380,2840 2520,2700 v1(2520,2605) 2760,2365 3145,2365 3265,2245 v1(3310,2245)
"RPWM_U_Motor Drivers1": "J5_U_Motor Drivers1.3" U4.76 | length 1390.1
  Top Layer w10: U4.76 3235,2775.93 v1(3235,3431.81)
  Bottom Layer w5: 3775.59,3515 3775.59,3520 ; 3775.59,3520 3770,3520 3775.59,3520
  Bottom Layer w10: v1(3235,3431.81) 3681.81,3431.81 3770,3520
"RPWM_U_Motor Drivers2": "J5_U_Motor Drivers2.3" U4.74 | length 1406.8
  Top Layer w10: 3057.68,3515 3147.68,3605 3275,3605 3305,3575 3305,3486.37 3295,3476.37 3295,2800 3092.26,2597.26 3092.26,2588.97 U4.74
"TRIG_U_Ultrasonic Sensor3": "J7_U_Ultrasonic Sensor3.3" U4.92 | length 1373.3
  Top Layer w10: U4.92 2909.96,2895.04 2931.1,2916.17 2943.45,2916.17 2959.62,2900 2986.21,2900 3001.21,2915 3002.39,2916.17 3011.17,2916.17 3041.78,2946.78 3048.1,2946.78 3081.31,2980 3120,2980 v1(3140,2960) ; v1(4016.24,2961) 4163.66,3108.42
  Bottom Layer w10: v1(3140,2960) 3140.5,2960.5 4015.74,2960.5 v1(4016.24,2961)
"TRIG_U_Ultrasonic Sensors1": "J7_U_Ultrasonic Sensors1.3" U4.96 | length 2389.9
  Top Layer w10: U4.96 2853.83,2950.71 2888.55,2985.43 v1(2889.37,2985.43)
  Bottom Layer w10: v1(2889.37,2985.43) 2890.66,2986.71 3023.29,2986.71 3075,2935 4014,2935 4265,2684 4265,1931.26 4205,1871.26
"TRIG_U_Ultrasonic Sensors2": "J7_U_Ultrasonic Sensors2.3" U4.94 | length 1620.5
  Top Layer w10: v1(2840,2865) 2841.78,2866.78 2841.78,2883.81 U4.94
  Bottom Layer w10: v1(2840,2865) 3768.82,2865 4205,2428.82
pads on no net: J3. J3.A8 J3.B8 U1.4 U1.9 U1.10 U1.11 U1.12 U1.13 U1.14 U1.15 U4.1 U4.4 U4.5 U4.8 U4.9 U4.12 U4.13 U4.14 U4.19 U4.23 U4.24 U4.25 U4.27 U4.28 U4.29 U4.42 U4.43 U4.44 U4.47 U4.48 U4.49 U4.50 U4.51 U4.52 U4.53 U4.54 U4.55 U4.56 U4.57 U4.58 U4.59 U4.60 U4.63 U4.64 U4.65 U4.66 U4.67 U4.68 U4.69 U4.70 U4.71 U4.72 U4.77 U4.78 U4.79 U4.82 U4.83 U4.84 U4.85 U4.90 U4.91

## Polygon pours and split planes (outlines as drawn)
no net on Bottom Overlay "NONET_L02_P003" (solid, pour order 3): 4355,3710 4355,1265 2410,1265 2410,3705.55
GND on Top Layer "NONET_L-01_P-001" (solid, pour order 4): 4355,3710 995,3710 995,3255 935,3195 935,1265 4355,1265

## Silkscreen, mask and mechanical layers (free items; w line width, h text height)
Top Overlay:
  drawing of 67 lines, arcs and shapes, not listed
  text "SENSOR 3" at 1832.15,3636.88 h60
  text "SENSOR 2" at 1412.15,3631.88 h60
  text "SENSOR 4" at 2242.15,3631.88 h60
  text "DC MOTOR RIGHT" at 3394.98,3622.7 h60
  text "DC MOTOR LEFT" at 2677.15,3621.88 h60
  text "SENSOR 1" at 1093.12,3102.15 h60 r90
  text "16 MHz" at 2011.9,2870.84 h80
  text "RADAR SENSOR" at 4056.91,2826.25 h60 r90
  text "+5V" at 2088,2694 h40
  text "Reset" at 1698,2692.01 h40
  text "Precision in Every Bit" at 3225,2630 h85
  text "SCK" at 1733,2587.01 h40
  text "MOSI" at 2088,2584 h40
  text "Restaurant Robot / Controller V1" at 3240,2495 h80
  text "GND" at 2088,2489 h40
  text "MISO" at 1723,2487.01 h40
  text "SPI" at 1799.51,2369.87 h60
  text "PROGRAMMING / INTERFACE" at 1799.51,2289.27 h45
  text "RADAR SENSOR" at 4057.32,2245.07 h60 r90
  text "ATmega2560 8-bit Microcontroller" at 2720.89,2214.83 h30 r45
  text "7 SEGMENT DISPLAY" at 1049.13,2100 h60 r90
  text "RESET" at 3205,2095.87 h60
  text "L" at 2843.18,2070.31 h60
  text "12 MHz" at 2032.46,1924.76 h80
  text "RADAR SENSOR" at 4055.53,1687.5 h60 r90
  text "ENCODER RIGHT" at 3626.24,1574.43 h60
  text "ENCODER LEFT" at 3082.01,1571.7 h60
  text "RX" at 2964.64,1556.26 h45 r90
  text "TX" at 2780.45,1555.19 h45 r90
  text "EDR BROS'" at 1052.04,1549.54 h60 r90
  text "DC IN" at 1614.13,1370 h60 r90
  text "12V DC IN" at 1974.84,1360.52 h40 r90
  text "USB C" at 2728.76,1337.36 h45
Bottom Overlay:
  drawing of 134 lines, arcs and shapes, not listed
  text "Precision in Every Bit" at 2080,2795 h85
  text "Restaurant Robot / Controller V1" at 2035,2335 h80
  text "MADE IN SRI LANKA" at 2060,1942.83 h80
  text "BOARD VERSION : 1" at 2050,1827.83 h80
  text "WORK OF ENTC" at 2010.1,1693.14 h80
Drill Guide:
  pour cut-out: 3826.86,3409.29 3720.51,3409.29 3720.51,1644.29 3826.86,1644.29
Mechanical 13:
  circle w10: c78.74,1570 r7.07
  lines w15: 925,1265 4355,1265 4355,3710 995,3710 995,3255 925,3185 925,1265

## Text inside footprints (layer, text, board x,y; h text height)
J3: Mechanical 13 "PCB EDGE" at 2744.72,1355.2 h24